# Altium PCB micromouse pcb.PcbDoc (part 2 of 2) (continued)
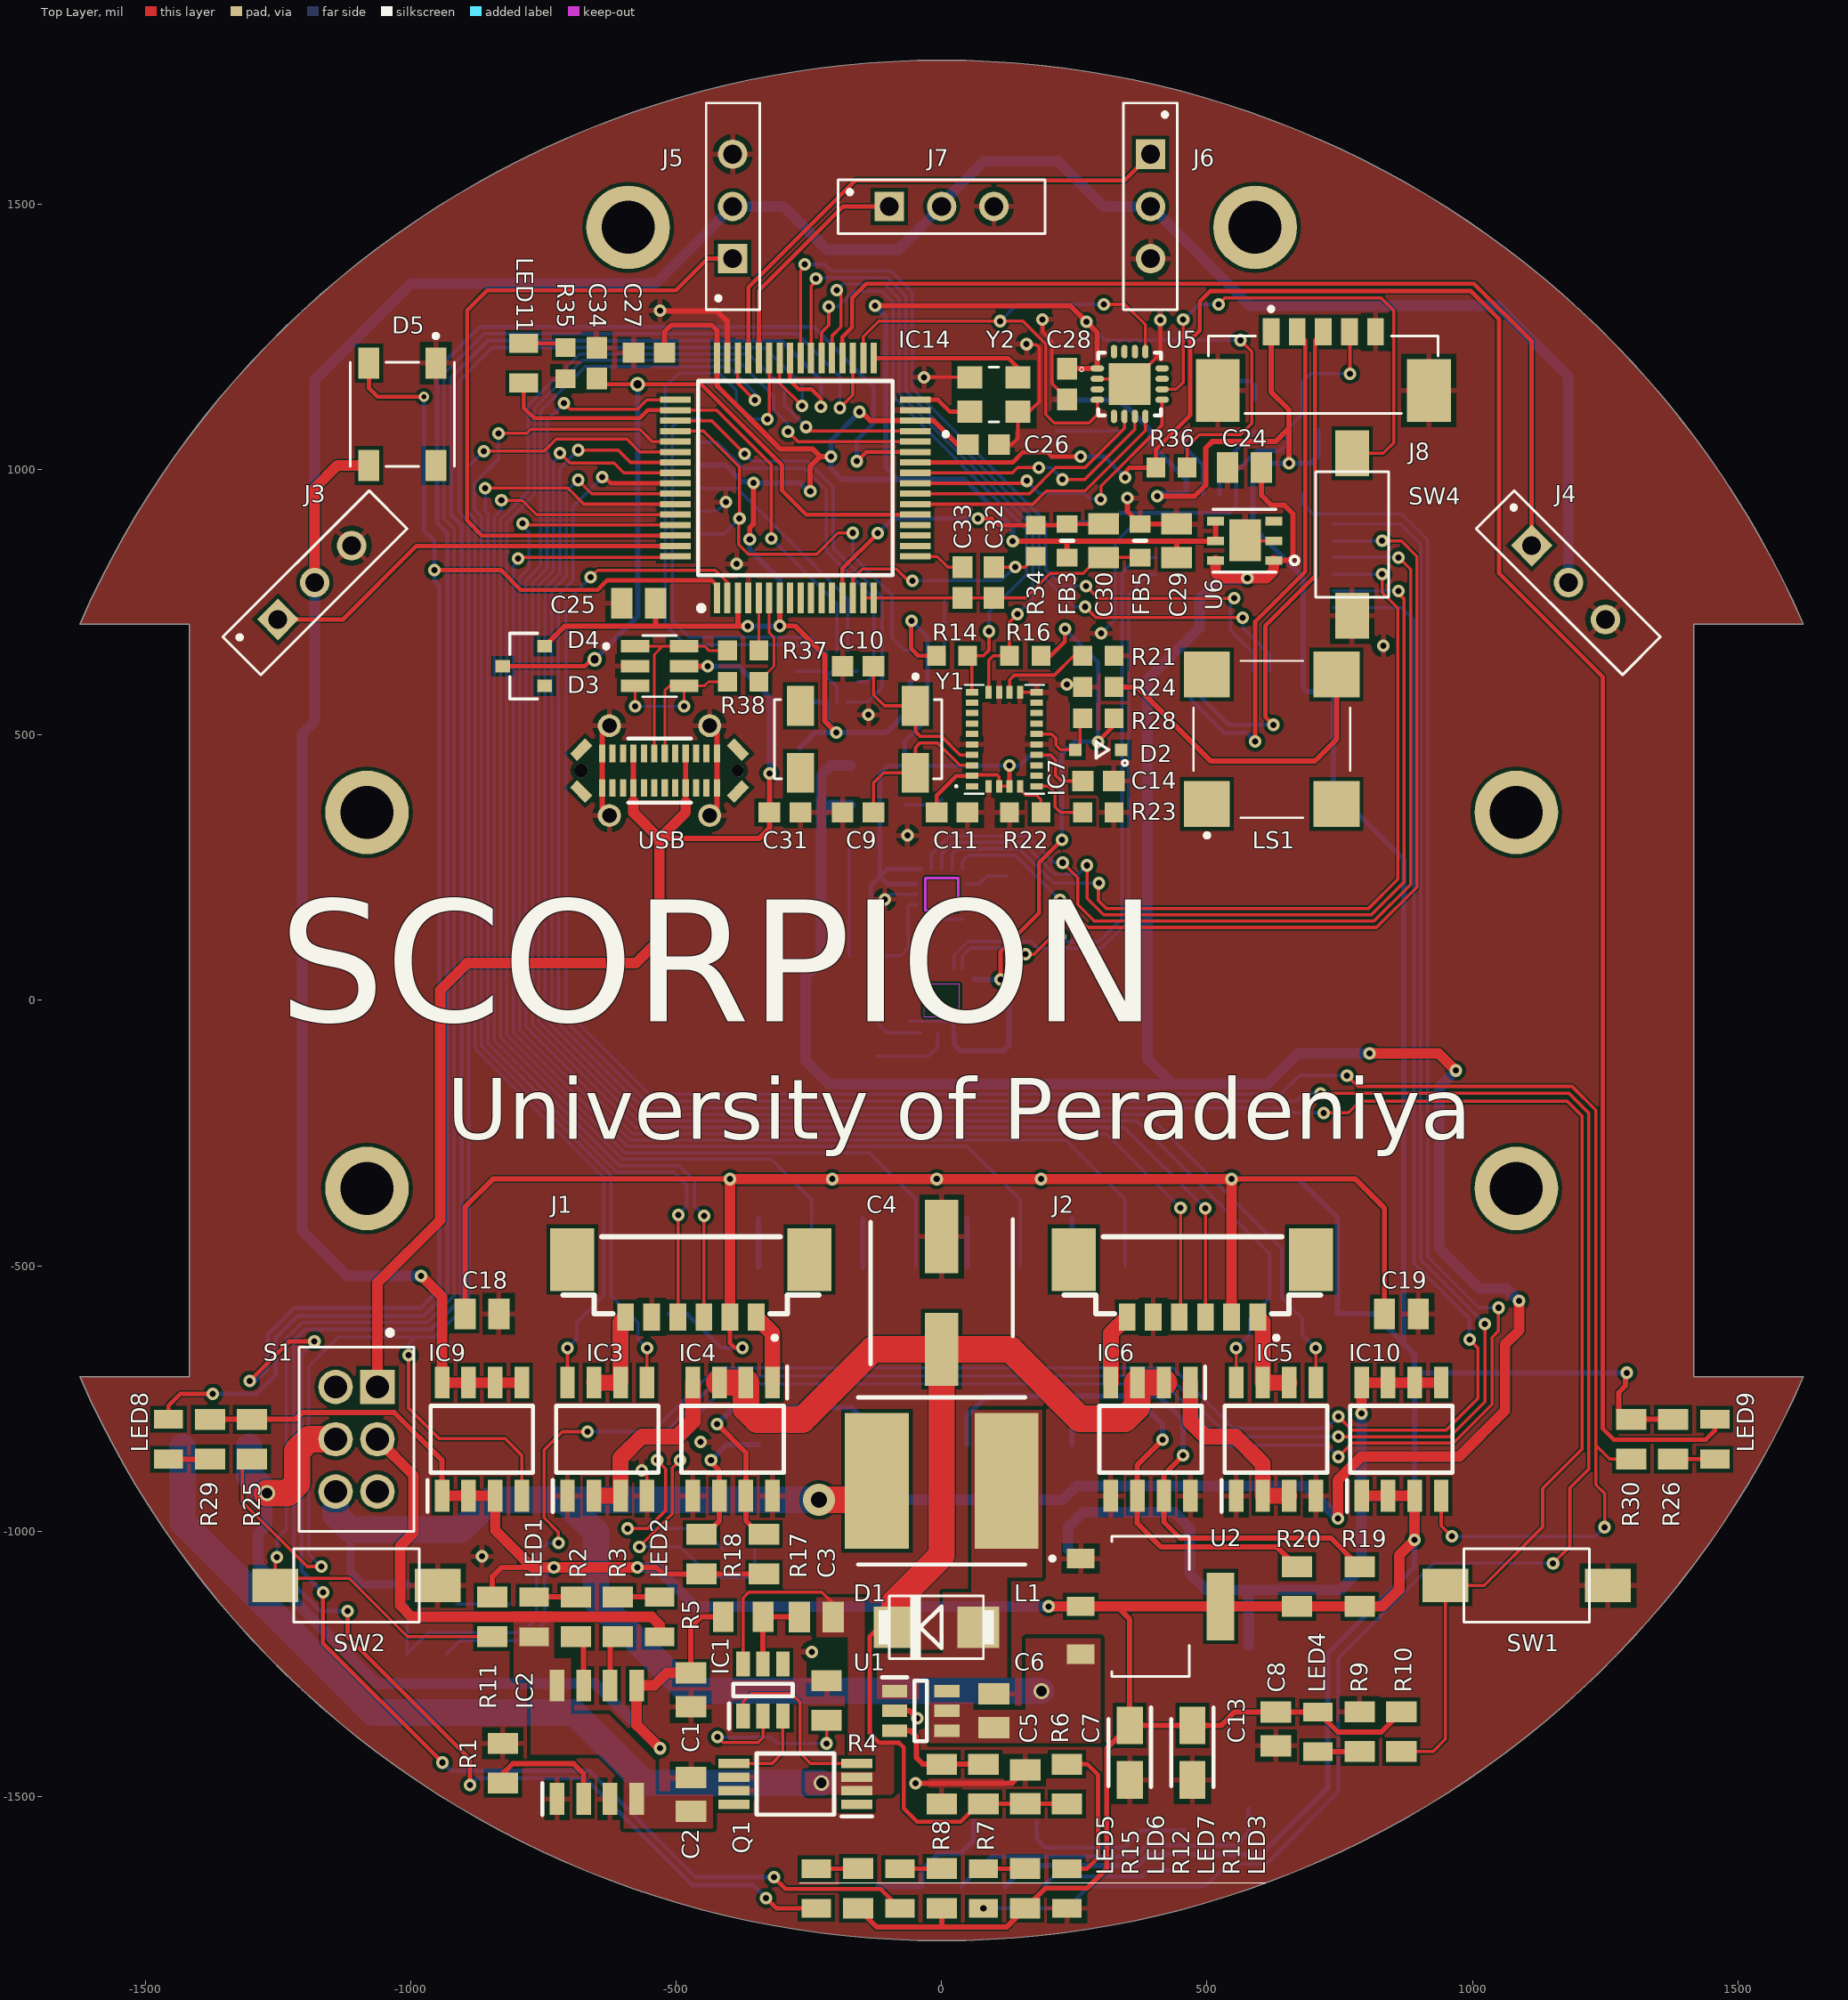
[diagram p0: Top Layer view]
## Nets (pads, with @x,y where several pads share a name; then routed paths per layer and width w, separated by ;. In a path a pad name is that pad's centre, name@x,y a point inside that pad or via, vN(x,y) a via of type N, cw(c..) or ccw(c..) an arc to the next point about the centre after c; other vN are vias at no path point) (continued)
NetIC3_2: IC3.2 IC3.3 IC4.4 | length 358.9
  Top Layer w30: IC3.2@-654.92,-933.54 IC3.3@-604.92,-933.54 -604.92,-861.92 -564.5,-821.5 -498,-821.5 -468.7,-792.2 IC4.4@-468.7,-720
NetIC3_6: IC3.6 IC3.7 J1.6 | length 177.5
  Top Layer w30: IC3.7@-654.92,-720 IC3.6@-604.92,-720 -604.92,-605.91 J1.6@-595.47,-596.46
NetIC4_1: IC4.1 J1.1 | length 136.3
  Top Layer w30: J1.1@-349.41,-596.46 -318.7,-627.17 IC4.1@-318.7,-720
NetIC5_2: IC5.2 IC5.3 IC6.1 | length 353.4
  Top Layer w30: IC6.1@468.7,-720 468.7,-793.7 496.5,-821.5 553.5,-821.5 604.92,-872.92 IC5.2@604.92,-933.54 IC5.3@654.92,-933.54
NetIC5_6: IC5.6 IC5.7 J2.1 | length 177.5
  Top Layer w30: J2.1@595.47,-596.46 604.92,-605.91 IC5.7@604.92,-720 IC5.6@654.92,-720
NetIC6_4: IC6.4 J2.6 | length 136.3
  Top Layer w30: IC6.4@318.7,-720 318.7,-627.17 J2.6@349.41,-596.46
NetIC7_17: IC7.17 R21.2 | length 179.9
  Top Layer w6: IC7.17@127.95,580.71 127.95,603.94 137.05,613.03 212.52,613.03 249.09,649.61 R21.2@265.75,649.61
NetIC8_6: IC8.6 R27.2 | length 82.7
  Bottom Layer w6: IC8.6@47.24,219.69 70.87,219.69 85.24,234.06 R27.2@124,234.06
NetIC13_2: IC13.2 Y3.1 | length 135.5
  Bottom Layer w8: Y3.1@459.65,1076.77 459.65,1040.47 492.13,1007.99 IC13.2@492.13,954.72
NetIC13_3: IC13.3 R39.1 | length 145.8
  Bottom Layer w8: IC13.3@523.62,954.72 523.62,1005.91 R39.1@590.55,1072.83
NetIC14_32: IC14.32 Y2.1 | length 112.2
  Top Layer w8: IC14.32@-49.69,1131.89 -6.5,1131.89 16.14,1109.25 Y2.1@53.15,1109.25
NetIC14_33: IC14.33 Y2.3 | length 297.2
  Top Layer w8: IC14.33@-127.95,1210.16 125.87,1210.16 143.7,1192.32 Y2.3@143.7,1174.21
NetJ9_2: J9.2 U12.3 | length 730.3
  Bottom Layer w6: J9.2@-452.87,1095.31 -492.36,1095.31 -507.72,1079.96 -507.72,716.02 -476.38,684.69 -246.62,684.69 -237.46,675.53 -237.46,659.12 U12.3@-236.22,657.87
NetJ9_3: J9.3 U12.8 | length 695
  Bottom Layer w6: J9.3@-452.87,1052.01 -422.7,1052.01 -372.85,1002.15 -257.65,1002.15 -217.5,962 -217.5,846.81 -127.6,756.91 -127.6,613.98 -141.18,600.39 U12.8@-159.06,600.39
NetJ9_5: J9.5 U12.6 | length 460.9
  Bottom Layer w6: J9.5@-452.87,965.39 -452.52,965.04 -385.69,965.04 -177.17,756.52 U12.6@-177.17,657.87
NetJ9_DT: J9.DT R51.1 | length 99.6
  Bottom Layer w6: R51.1@5,659.53 J9.DT@5,759.09
NetLED1_1: LED1.1 R2.2 | length 78.7
  Top Layer w10: LED1.1@-767.72,-1124.02 R2.2@-688.98,-1124.02
NetLED2_1: LED2.1 R3.2 | length 78.7
  Top Layer w10: R3.2@-610.24,-1124.02 LED2.1@-531.5,-1124.02
NetLED3_2: LED3.2 R6.1 | length 290.1
  Top Layer w8: LED3.2@236.22,-1635.83 274.17,-1635.83 294.5,-1615.5 294.5,-1458.5 274.98,-1438.98 R6.1@236.22,-1438.98
NetLED4_1: LED4.1 R9.1 | length 78.7
  Top Layer w10: LED4.1@708.66,-1415.35 R9.1@787.4,-1415.35
NetLED5_2: LED5.2 R15.1 | length 78.7
  Top Layer w8: LED5.2@-236.22,-1635.83 R15.1@-157.48,-1635.83
NetLED6_2: LED6.2 R12.1 | length 78.7
  Top Layer w8: LED6.2@-78.74,-1635.83 R12.1@0,-1635.83
NetLED7_2: LED7.2 R13.1 | length 78.7
  Top Layer w8: LED7.2@78.74,-1635.83 R13.1@157.48,-1635.83
NetLED8_2: LED8.2 R25.1 | length 78.7
  Top Layer w10: LED8.2@-1456.69,-864.17 R25.1@-1377.95,-864.17
NetLED9_2: LED9.2 R26.1 | length 78.7
  Top Layer w8: R26.1@1377.95,-864.17 LED9.2@1456.69,-864.17
NetLED10_2: LED10.2 R31.1 | length 278.2
  Bottom Layer w8: R31.1@194.88,-1669.45 194.88,-1666.19 210.57,-1650.5 378.5,-1650.5 390.1,-1638.9 LED10.2@458.5,-1638.9
NetLED11_1: LED11.1 R35.2 | length 82
  Top Layer w8: LED11.1@-787.4,1238.19 -716.54,1238.19 R35.2@-708.66,1230.31
NetLS1_3: LS1.3 R24.2 | length 616.2
  Top Layer w10: R24.2@324.8,590.55 367.95,590.55 507.5,451 703,451 744.05,492.05 LS1.3@744.05,614.17
NetR7_1: R7.1 R8.2 U1.3 | length 216.8
  Top Layer w10: U1.3@-88.58,-1375.99 -58.51,-1375.99 -47.5,-1387 -47.5,-1427 -35.52,-1438.98 R8.2@0,-1438.98 R7.1@78.74,-1438.98
NetR32_1: R32.1 SW3.1 | length 628.9
  Bottom Layer w8: R32.1@37.4,-1669.45 93.85,-1613 364.79,-1613 385.97,-1591.82 554.69,-1591.82 578.03,-1568.47 SW3.1@578.03,-1522.02
NetR32_2: R32.2 R33.2 U3.26 | length 270.4
  Bottom Layer w10: R33.2@-120.08,-1669.45 R32.2@-37.4,-1669.45 -37.4,-1638.9 -6.26,-1607.76 34.74,-1607.76 60.83,-1581.67 U3.26@60.83,-1546.42
NetR39_2: R39.2 Y3.3 | length 95.2
  Bottom Layer w8: Y3.3@524.61,1167.32 579.96,1167.32 590.55,1156.73 R39.2@590.55,1131.89
NetR41_2: R41.2 U7.1 | length 90.6
  Bottom Layer w10: U7.1@-148.43,-501.97 R41.2@-148.43,-411.42
NetR42_2: R42.2 U9.1 | length 90.6
  Bottom Layer w10: U9.1@-345.28,-501.97 R42.2@-345.28,-411.42
NetR43_2: R43.2 U8.1 | length 90.6
  Bottom Layer w10: U8.1@48.43,-501.97 R43.2@48.43,-411.42
NetR44_2: R44.2 U10.1 | length 90.6
  Bottom Layer w10: U10.1@245.28,-501.97 R44.2@245.28,-411.42
NetR49_2: R49.2 U4.12 | length 90.7
  Bottom Layer w6: R49.2@-121.47,-41.5 -121.47,-42.48 -106.76,-57.2 -105.77,-57.2 -102.15,-60.83 U4.12@-39.37,-60.83
NRST: C43.2 IC13.4 J8.4 SW5.2 | length 817.9
  Top Layer w6: J8.4@768.27,1259.57 769.25,1258.58 v2(769.25,1180.79)
  Bottom Layer w6: C43.2@649.61,1073.23 649.61,1074.61 679.6,1104.6 679.6,1165.23 695.16,1180.79 v2(769.25,1180.79)
  Bottom Layer w8: SW5.2@236.22,901.02 318.46,901.02 335.94,918.5 542.04,918.5 555.12,931.57 IC13.4@555.12,954.72 555.12,996.61 594,1035.5 638.18,1035.5 649.61,1046.93 C43.2@649.61,1073.23
PROG: SW4.1 U5.10 | length 922.5
  Top Layer w6: U5.10@415.35,1151.57 442.01,1151.57 455.2,1164.76 v1(455.2,1282.64) ; v1(521.57,1311.5) 533.58,1323.5 827.99,1323.5 852.2,1299.29 852.2,1051.11 831.89,1030.8 SW4.1@773.42,1030.8
  Bottom Layer w6: v1(455.2,1282.64) 484.06,1311.5 v1(521.57,1311.5)
PS0: IC7.6 R23.2 | length 122.6
  Top Layer w6: IC7.6@179.13,403.54 201.69,403.54 213.94,391.3 213.94,364.61 224.21,354.33 R23.2@265.75,354.33
PS1: IC7.5 R22.2 | length 77.4
  Top Layer w6: IC7.5@147.64,403.54 147.64,397.64 158.46,386.81 178.7,386.81 187.01,378.5 R22.2@187.01,354.33
PTA0: IC14.22 U5.8 | length 517.6
  Top Layer w6: IC14.22@-49.69,935.04 172.13,935.04 197.01,959.92 270.04,959.92 383.86,1073.74 U5.8@383.86,1100.39
PTA1: IC14.23 U5.6 | length 467.5
  Top Layer w6: IC14.23@-49.69,954.72 165.53,954.72 214.83,1004.02 270.28,1004.02 344.49,1078.24 U5.6@344.49,1100.39
PTA2: IC14.24 U5.9 | length 601.8
  Top Layer w6: IC14.24@-49.69,974.41 155.79,974.41 v1(160.43,979.06) ; v1(300,944) 300,968.76 415.35,1084.12 U5.9@415.35,1131.89
  Bottom Layer w6: v1(160.43,979.06) 183.7,955.79 268.79,955.79 279.19,945.39 298.61,945.39 v1(300,944)
PTA3: IC14.25 U5.7 | length 491.4
  Top Layer w6: IC14.25@-49.69,994.09 133.33,994.09 143.23,1003.99 v1(183.05,1003.99) ; v1(227.24,981.57) 269.61,981.57 364.17,1076.14 U5.7@364.17,1100.39
  Bottom Layer w6: v1(183.05,1003.99) 206.17,1003.99 227.24,982.91 v1(227.24,981.57)
PWR_INPUT: C6.1 C24.2 IC12.1 IC12.3 L1.2 S1.6 U1.4 U1.5 U2.3 U6.1 U6.6 U15.2 | length 8089.9
  Top Layer w10: C24.2@602.76,1003.94 602.76,951.74 621.44,933.06 645.94,933.06 662,917 662,837 654.14,829.14 U6.1@625.87,829.14
  Top Layer w20: U6.6@515.87,829.14 515.87,805.85 526.41,795.31 575.31,795.31 v4(576,796) 612.5,796 625.87,809.37 U6.1@625.87,829.14 ; v2(746.5,-976) 746.5,-904 791,-859.5 975,-859.5 1061.5,-773 1061.5,-648 1088,-621.5 v1(1088,-566) ; v2(806.5,-99.5) 936,-99.5 v2(968.5,-132)
  Top Layer w50: v8(-231,-941) -157.54,-941 L1.2@-122.05,-905.51
  Bottom Layer w15: -1113.98,-997.01 -1113.98,-1076.54 -1090.67,-1099.84 U15.2@-1007.08,-1099.84
  Bottom Layer w20: v8(-231,-941) 228,-941 254,-915 685.5,-915 v2(746.5,-976) ; IC12.1@-171.43,368.46 -208.54,368.46 -227,350 ; IC12.3@-171.43,442.46 -209.04,442.46 -227,424.5 -227,350 ; v4(576,796) 574.19,794.19 524.19,794.19 485.5,755.5 485.5,702 387.5,604 387.5,-110 434.81,-157.32 ; v2(806.5,-99.5) 671.5,-99.5 613.69,-157.32 434.81,-157.32 ; v2(968.5,-132) 938,-162.5 938,-468 1013,-543 1064.02,-543 1087.02,-566 v1(1088,-566) ; -227,350 -227,75.5 -256,46.5 -256,-113.5 -212.18,-157.32 434.81,-157.32
  Bottom Layer w50: S1.6@-1141.73,-925.2 -1141.73,-969.25 -1113.98,-997.01 -904.8,-997.01 -848.8,-941 -712,-941 ; v8(-231,-941) -712,-941 ; v5@187.5,-1301 -480,-1301 -651,-1130 -651,-1002 -712,-941
  other v5: 188,-1301.5
R_C: IC5.8 IC14.56 R48.2 | length 3147.9
  Top Layer w6: v1(-719.25,1031.46) -700.34,1012.54 -617.04,1012.54 -598.59,994.09 IC14.56@-501.5,994.09 ; IC5.8@554.92,-720 v2(554.92,-655)
  Bottom Layer w6: v1(-719.25,1031.46) -719.25,1026.69 -731.46,1014.48 -731.46,809.21 -758.97,781.7 -758.97,-39.93 -571.93,-226.97 367.47,-226.97 618,-477.5 618,-561.13 R48.2@588.58,-590.55 580.24,-598.89 580.24,-629.68 v2(554.92,-655)
R_CS: IC5.5 IC14.55 R46.2 | length 3136.9
  Top Layer w6: v1(-684.96,1036.85) -609.35,1036.85 -586.28,1013.78 IC14.55@-501.5,1013.78 ; IC5.5@704.92,-720 v1(704.92,-655)
  Bottom Layer w6: v1(-684.96,1036.85) -684.96,1036.32 -719.13,1002.15 -719.13,804.57 -746.97,776.73 -746.97,-34.96 -566.96,-214.97 388.97,-214.97 641,-467 641,-560.29 R46.2@671.26,-590.55 679.6,-598.89 679.6,-629.68 v1(704.92,-655)
R_INA: IC14.64 U8.2 | length 2407.3
  Top Layer w6: v3(-798.2,832.48) -796.14,834.55 -503.56,834.55 IC14.64@-501.5,836.61
  Bottom Layer w6: v3(-798.2,832.48) -798.2,827.71 -806.97,818.95 -806.97,-59.81 -591.81,-274.97 48.52,-274.97 148.43,-374.87 U8.2@148.43,-501.97
R_INA_O: IC6.7 R19.1 U8.4 | length 1105.4
  Top Layer w10: v2(455,-857) 418.7,-893.3 IC6.7@418.7,-933.54 418.7,-982.7 449,-1013 733.47,-1013 R19.1@787.4,-1066.93
  Bottom Layer w10: U8.4@48.43,-836.61 48.43,-781.57 84.5,-745.5 409,-745.5 455,-791.5 v2(455,-857)
R_INB: IC14.61 U10.2 | length 2654.4
  Top Layer w6: v1(-789.22,898.56) -786.33,895.67 IC14.61@-501.5,895.67
  Bottom Layer w6: v1(-789.22,898.56) -789.22,893.79 -777.39,881.96 -777.39,814.18 -794.97,796.61 -794.97,-54.84 -586.84,-262.97 233.37,-262.97 345.28,-374.87 U10.2@345.28,-501.97
R_INB_O: IC6.6 R20.1 U10.4 | length 774.2
  Top Layer w10: v2(416.5,-827.5) 368.7,-875.3 IC6.6@368.7,-933.54 368.7,-985.2 413.5,-1030 632.36,-1030 R20.1@669.29,-1066.93
  Bottom Layer w10: U10.4@245.28,-836.61 245.28,-792.72 265,-773 390,-773 416.5,-799.5 v2(416.5,-827.5)
RENCH_A: IC14.46 J2.4 | length 3316.6
  Top Layer w6: IC14.46@-383.86,1210.16 -383.86,1162.99 v4(-352.09,1131.22) ; J2.4@447.83,-596.46 450.16,-594.13 v1(450.16,-391.02)
  Bottom Layer w6: v4(-352.09,1131.22) -352.09,1144.53 -401.65,1194.09 -672.04,1194.09 -755.46,1110.67 -755.46,819.15 -782.97,791.64 -782.97,-49.87 -581.87,-250.97 310.11,-250.97 v1(450.16,-391.02)
RENCH_B: IC14.49 J2.3 | length 3033.2
  Top Layer w6: v1(-711.3,1125.39) -700,1114.09 -573.35,1114.09 -555.55,1131.89 IC14.49@-501.5,1131.89 ; v1(496.89,-391.77) 496.89,-596.3 J2.3@497.05,-596.46
  Bottom Layer w6: v1(-711.3,1125.39) -743.46,1093.24 -743.46,814.18 -770.97,786.67 -770.97,-44.9 -576.9,-238.97 344.09,-238.97 v1(496.89,-391.77)
RESET: IC14.34 U5.4 U5.13 | length 1038.8
  Top Layer w6: IC14.34@-147.64,1210.16 -147.64,1250.71 -118.35,1280 v1(110.5,1280) 152.91,1280 196.13,1236.79 196.13,1103.8 211.89,1088.03 277.83,1088.03 293.31,1103.5 U5.4@293.31,1131.89 ; v1(305.5,1311.5) 345.5,1311.5 383.86,1273.14 U5.13@383.86,1222.44
  Bottom Layer w6: v1(110.5,1280) 142,1311.5 v1(305.5,1311.5)
RX2_STM: IC13.9 U3.1 | length 3951.5
  Top Layer w6: v1(-591.5,-995) -554,-995 -520,-961 -520,-882.5 v2(-536,-866.5) ; v2(747.5,-822) 957.5,-822 1023.5,-756 v1(1023.5,-609.5)
  Bottom Layer w6: v1(-591.5,-995) -451.22,-995 U3.1@-411.61,-1034.61 ; v2(-536,-866.5) -536,-829 -414,-707 426.5,-707 541.5,-822 v2(747.5,-822) ; IC13.9@738.19,897.64 864.86,897.64 902.5,860 902.5,-488.5 v1(1023.5,-609.5)
RX_STM: IC13.20 IC14.40 | length 1567.4
  Top Layer w6: IC14.40@-265.75,1210.16 -265.75,1374.64 -258.19,1382.2 v1(-258.19,1386.97) ; v3(271.89,780.94) 295.04,757.8 v3(551.1,757.8)
  Bottom Layer w6: v1(-258.19,1386.97) -219.97,1386.97 -207.5,1374.5 -95.53,1374.5 -55.65,1334.62 -55.65,1153.57 195.72,902.2 195.72,811.68 226.46,780.94 v3(271.89,780.94) ; v3(551.1,757.8) 543.86,750.55 543.86,697.8 586.61,655.04 IC13.20@586.61,620.08
SCK: IC14.50 LED11.2 U12.5 | length 972.8
  Top Layer w6: IC14.50@-501.5,1112.2 -424.03,1112.2 -320.83,1009 v4(-320.83,870.75)
  Top Layer w8: LED11.2@-787.4,1163.39 -787.4,1116.81 -767.72,1097.13 -568.54,1097.13 -553.47,1112.2 IC14.50@-501.5,1112.2
  Bottom Layer w6: v4(-320.83,870.75) -196.85,746.77 U12.5@-196.85,657.87
SCK_STM: IC8.2 IC13.11 | length 1818.7
  Top Layer w6: v1(228,259.5) 256.5,231 256.5,180.5 287.5,149.5 814.44,149.5 883.5,218.56 883.5,812.15 v1(861,834.65)
  Bottom Layer w6: IC8.2@-19.69,247.24 -19.69,275.72 14.59,310 161,310 211.5,259.5 v1(228,259.5) ; IC13.11@738.19,834.65 v1(861,834.65)
SCL: IC7.19 IC14.37 R16.1 | length 1170
  Top Layer w6: IC14.37@-206.69,1210.16 -206.69,1251.97 -189.53,1269.13 -189.53,1330.03 v3(-197.5,1338) ; IC7.19@88.58,580.71 88.58,640.83 97.36,649.61 R16.1@127.95,649.61 ; R16.1@127.76,649.8 127.76,712.8 v3(142.68,727.72)
  Bottom Layer w6: v3(-197.5,1338) -186,1349.5 -107,1349.5 -79.65,1322.15 -79.65,1143.62 171.72,892.26 171.72,756.76 v3(142.68,727.72)
SCL_STM: IC13.29 U4.23 | length 1072.2
  Bottom Layer w6: U4.23@23.62,60.83 23.62,85.36 49.27,111 169.04,111 181.37,98.67 301.14,98.67 351.92,149.45 351.92,764.32 390.75,803.15 IC13.29@403.54,803.15
SDA: IC7.20 IC14.38 R14.1 | length 1149.5
  Top Layer w6: IC14.38@-226.38,1210.16 -226.38,1258.7 -212.68,1272.4 v3(-212.68,1307.56) ; IC7.20@57.09,580.71 57.09,641.73 R14.1@49.21,649.61 78.82,649.61 89.25,660.04 v1(89.25,695.55)
  Bottom Layer w6: v3(-212.68,1307.56) -194.44,1307.56 -166,1336 -112.5,1336 -91.65,1315.15 -91.65,1138.65 159.72,887.29 159.72,802.16 89.25,731.69 v1(89.25,695.55)
SDA_STM: IC13.30 U4.24 | length 1097.2
  Top Layer w6: v2(157.76,87.09) 174.09,87.09 206.61,119.61 v2(223.54,119.61)
  Bottom Layer w6: U4.24@39.37,60.83 39.37,84.13 54.24,99 145.84,99 v2(157.76,87.09) ; v2(223.54,119.61) 232.48,110.67 296.17,110.67 339.92,154.42 339.92,805.79 368.78,834.65 IC13.30@403.54,834.65
SHARP_ON/OFF: IC9.4 IC14.42 R29.1 | length 4083.5
  Top Layer w6: R29.1@-1299.21,-864.17 -1317.5,-882.46 -1317.5,-944.43 -1195.28,-1066.65 v2(-1168.82,-1066.65) ; v1(-1004.21,-668.37) -1004.21,-768.23 -947.17,-825.28 -822.95,-825.28 -791.14,-857.09 IC9.4@-791.14,-933.54 ; IC14.42@-305.12,1210.16 -305.12,1162.72 v4(-262.64,1120.24)
  Bottom Layer w6: v2(-1168.82,-1066.65) -1192.5,-1042.97 -1192.5,-689.74 -1136.85,-634.09 -990.83,-634.09 ; v1(-1004.21,-668.37) -1004.21,-647.48 -990.83,-634.09 ; v4(-262.64,1120.24) -262.64,1158.86 -333.87,1230.09 -845.94,1230.09 -909.21,1166.81 -909.21,919.96 -891.02,901.77 -891.02,-569.57 -955.55,-634.09 -990.83,-634.09
SW1: IC14.58 R10.1 SW1.2 | length 4678.7
  Top Layer w6: v1(-685.04,980.71) -659.06,954.72 IC14.58@-501.5,954.72 ; v1(719.45,-211.85) 766.22,-211.85 787.8,-190.28 1178.78,-190.28 1206.46,-217.95 1206.46,-845.27 1132.37,-919.37 1132.37,-992.13 1022.14,-1102.36 SW1.2@949.37,-1102.36 949.37,-1391.63 925.65,-1415.35 R10.1@866.14,-1415.35
  Bottom Layer w6: v1(-685.04,980.71) -707.13,958.62 -707.13,799.6 -734.97,771.76 -734.97,-29.99 -562.31,-202.65 653.94,-202.65 663.15,-211.85 v1(719.45,-211.85)
SW2: IC14.35 R11.1 SW2.2 | length 4001.8
  Top Layer w6: v2(-1252.2,-1049.21) -1255.35,-1052.36 SW2.2@-1255.35,-1102.36 -1241.99,-1089 -1116,-1089 -1006.18,-1198.82 R11.1@-846.46,-1198.82 ; v4(-191.57,1116.54) -167.32,1140.79 IC14.35@-167.32,1210.16
  Bottom Layer w6: v2(-1252.2,-1049.21) -1252.2,-1013.94 -1234.5,-996.23 -1234.5,-636.31 -1205.2,-607.02 -969.65,-607.02 -917.95,-555.32 -917.95,888.27 -937.4,907.72 -937.4,1180.71 -862.02,1256.09 -272.27,1256.09 -191.57,1175.39 v4(-191.57,1116.54)
SYS_SWCLK: IC13.24 J8.2 | length 1027.5
  Top Layer w8: v2(590.75,487.91) 590.75,713.7 685.12,808.07 685.12,1244.29 J8.2@669.84,1259.57
  Bottom Layer w8: IC13.24@460.63,620.08 469.53,611.18 469.53,567.56 532.72,504.37 574.29,504.37 v2(590.75,487.91)
SYS_SWDIO: IC13.23 J8.3 | length 1003.8
  Top Layer w8: v2(625.35,519.41) 609.92,534.84 609.92,705.83 703.62,799.53 703.62,1244.13 J8.3@719.06,1259.57
  Bottom Layer w8: IC13.23@492.13,620.08 484.33,612.28 484.33,575.51 540.43,519.41 v2(625.35,519.41)
TX2_STM: IC13.8 U3.2 | length 4192.3
  Top Layer w6: v3(-569.5,-1029.5) -507.5,-967.5 -507.5,-881 v2@-492.5,-866 ; v2(747.5,-860) 773.5,-834 964,-834 1037,-761 1037,-635 1049,-623 v1(1049,-579)
  Bottom Layer w6: v3(-569.5,-1029.5) -492.5,-1029.5 -435,-1087 -364.5,-1087 -352.56,-1075.06 U3.2@-352.56,-1034.61 ; v2(-492.5,-866.5) -492.5,-813.5 -401.5,-722.5 420.5,-722.5 536,-838 725.5,-838 v2(747.5,-860) ; IC13.8@681.1,954.72 681.1,934.9 699,917 866,917 915.5,867.5 915.5,-482.5 1012,-579 v1(1049,-579)
TX_STM: IC13.19 IC14.39 | length 1503.6
  Top Layer w6: IC14.39@-246.06,1210.16 -246.06,1345.98 -236.61,1355.43 v1(-236.61,1360.2) ; v3(270.2,741.69) 290.39,721.5 v3(567.32,721.5)
  Bottom Layer w6: v1(-236.61,1360.2) -235.31,1361.5 -102.03,1361.5 -67.65,1327.12 -67.65,1148.59 183.72,897.23 183.72,806.71 248.74,741.69 v3(270.2,741.69) ; v3(567.32,721.5) 567.32,702.24 618.11,651.46 IC13.19@618.11,620.08
U5V: C31.2 D4.5 S1.1 USB.A4 USB.A9 USB.B4 USB.B9 | length 2449.7
  Top Layer w10: -580.71,374.81 USB.A9@-580.71,400.39 USB.B4@-580.71,465.75 ; -531.73,304.92 -344.08,304.92 -324.41,324.59 C31.2@-324.41,354.33 v3(-324.41,428) ; D4.5@-485.24,629.92 v1(-441,629.92) ; -482.28,374.29 USB.A4@-482.28,400.39 USB.B9@-482.28,465.75
  Top Layer w20: S1.1@-1062.99,-728.35 -1062.99,-531.99 -944.5,-413.5 -944.5,19.74 -894.08,70.16 -576.1,70.16 -531.73,114.53 -531.73,304.92 ; -580.71,374.81 -580.71,353.9 -531.73,304.92 ; -482.28,374.29 -482.28,354.37 -531.73,304.92
  Bottom Layer w10: v1(-441,629.92) -382.42,629.92 -326.5,574 -324.41,571.91 v3(-324.41,428)
VBAT: IC13.14 R40.1 U15.1 | length 4315
  Top Layer w6: v1(-722,-1022.5) -722,-1002 -749,-975 -749,-847 -714.5,-812.5 v2(-667.5,-812.5) ; v2(747.5,-784) 773,-809.5 950.5,-809.5 1010,-750 1010,-654.5 v1(994.5,-639)
  Bottom Layer w6: U15.1@-1007.08,-1137.24 R40.1@-1007.08,-1231 -967.58,-1191.5 -790.5,-1191.5 -763,-1164 -763,-1043.5 -742,-1022.5 v1(-722,-1022.5) ; v2(-667.5,-812.5) -545,-812.5 -424.5,-692 435.5,-692 549.5,-806 725.5,-806 v2(747.5,-784) ; IC13.14@738.19,740.16 866.34,740.16 890,716.5 890,-495 994.5,-599.5 v1(994.5,-639)
VCC: C2.1 IC2.4 IC2.8 LED1.2 LED2.2 S1.2 | length 878.1
  Top Layer w20: S1.2@-1062.99,-826.77 -994.8,-894.96 -994.8,-1002.87 -1019.96,-1028.03 -1019.96,-1140.04 -998.5,-1161.5 -546,-1161.5 -531.5,-1176 LED2.2@-531.5,-1198.82
pads on no net: D5.4 IC1.4 IC2.9 IC7.1 IC7.7 IC7.8 IC7.12 IC7.13 IC7.21 IC7.22 IC7.23 IC7.24 IC8.7 IC13.6 IC13.7 IC13.15 IC13.18 IC13.21 IC13.22 IC13.25 IC13.26 IC13.27 IC13.28 IC13.31 IC14.8 IC14.18 IC14.19 IC14.20 J1.7 J1.8 J2.7 J2.8 J9.1 J9.8 J9.P2 J9.P5 J9.SW LS1.1 LS1.2 Q1.1 Q1.8 S1.3 S1.4 U1.6 U3.3 U3.4 U3.5 U3.6 U3.7 U3.8 U3.9 U3.10 U3.11 U3.14 U3.15 U3.16 U3.17 U3.18 U3.19 U3.20 U3.23 U3.25 U3.27 U3.28 U3.29 U3.30 U3.31 U3.32 U3.33 U3.34 U4.2 U4.3 U4.4 U4.5 U4.6 U4.7 U4.9 U4.11 U4.14 U4.15 U4.16 U4.17 U4.19 U4.20 U4.21 U4.22 U5.3 U5.5 U5.11 U5.12 U5.14 U5.15 U5.16 U6.3 U12.14 U12.15 U15.4 USB.3 USB.4 USB.5 USB.6 USB.A2 USB.A3 USB.A5 USB.A6 USB.A7 USB.A8 USB.A10 USB.A11 USB.B2 USB.B3 USB.B5 USB.B8 USB.B10 USB.B11 USB.None Y1.2 Y1.3

## Polygon pours and split planes (outlines as drawn)
GND on Top Layer "Top Layer-GND" (solid, pour order 8): -1129.52,-1365.47 -1067.53,-1414.46 -1003.43,-1460.63 -937.32,-1503.91 -869.36,-1544.19 -799.67,-1581.41 -728.38,-1615.48 -655.65,-1646.34 -581.62,-1673.93 -506.43,-1698.19 -430.23,-1719.07 -353.18,-1736.54 -275.43,-1750.56 -197.13,-1761.1 -118.43,-1768.13 -39.5,-1771.65 39.5,-1771.65 118.43,-1768.13 197.12,-1761.1 275.43,-1750.56 353.18,-1736.54 430.23,-1719.07 506.43,-1698.19 581.62,-1673.93 655.65,-1646.34 728.38,-1615.48 799.67,-1581.41 869.36,-1544.19 937.32,-1503.91 1003.43,-1460.63 1067.53,-1414.46 1129.52,-1365.47 1189.26,-1313.77 1246.64,-1259.45 1301.53,-1202.63 1353.84,-1143.43 1403.47,-1081.94 1450.3,-1018.31 1494.24,-952.66 1535.22,-885.11 1573.15,-815.8 1607.95,-744.87 1623.75,-708.66 1417.32,-708.66 1417.32,708.66 1623.75,708.66 1607.95,744.87 1573.15,815.8 1535.22,885.11 1494.24,952.66 1450.3,1018.31 1403.47,1081.94 1353.84,1143.42 1301.53,1202.63 1246.64,1259.45 1189.26,1313.77 1129.52,1365.47 1067.53,1414.46 1003.43,1460.63 937.32,1503.91 869.36,1544.19 799.67,1581.41 728.38,1615.48 655.65,1646.34 581.62,1673.93 506.43,1698.19 430.23,1719.07 353.18,1736.54 275.43,1750.56 197.12,1761.1 118.43,1768.13 39.5,1771.65 -39.5,1771.65 -118.43,1768.13 -197.13,1761.1 -275.43,1750.56 -353.18,1736.54 -430.23,1719.07 -506.43,1698.19 -581.62,1673.93 -655.65,1646.34 -728.38,1615.48 -799.67,1581.41 -869.36,1544.19 -937.32,1503.91 -1003.43,1460.63 -1067.53,1414.46 -1129.52,1365.47 -1189.26,1313.77 -1246.64,1259.45 -1301.53,1202.63 -1353.84,1143.42 -1403.47,1081.94 -1450.3,1018.31 -1494.24,952.66 -1535.22,885.11 -1573.15,815.8 -1607.95,744.87 -1623.75,708.66 -1417.32,708.66 -1417.32,-708.66 -1623.75,-708.66 -1607.95,-744.87 -1573.15,-815.8 -1535.22,-885.11 -1494.24,-952.66 -1450.3,-1018.31 -1403.47,-1081.94 -1353.84,-1143.43 -1301.53,-1202.63 -1246.64,-1259.45 -1189.26,-1313.77
NetC3_2 on Top Layer "Top Layer-NetC3_2" (solid, pour order 14): -236,-1125 -145.5,-1125 -145.5,-1398.8 -89.5,-1398.8 -89.5,-1496 -257,-1496 -257,-1454 -127.5,-1454 -127.5,-1424 -176,-1424 -176,-1199.5 -236,-1199.5
NetD1_A on Top Layer "Top Layer-NetD1_A" (solid, pour order 34): -122,-1316.5 -43,-1316.5 -43,-1276 123.5,-1276 123.5,-1087 189,-1087 189,-771.5 56.5,-771.5 56.5,-1115.5 2.5,-1115.5 2.5,-1230.5 -122,-1230.5
no net on Top Layer "Top Layer-No Net" (solid, pour order 30): -126,-1320
PWR_INPUT on Top Layer "Top Layer-PWR_INPUT" (solid, pour order 22): 59.5,-1322.5 59.5,-1337 158.5,-1337 158.5,-1202 299.5,-1202 299.5,-1399 -22,-1399 -22,-1322.5
no net on Top Layer "Top Layer-No Net 1" (solid, pour order 24): -18,-1322.5
VCC on Top Layer "Top Layer-VCC" (solid, pour order 16): -730.5,-1151 -730.5,-1239.5 -699,-1239.5 -699,-1344.5 -627.5,-1344.5 -539,-1433 -539,-1496.5 -431,-1496.5 -431,-1560 -598.5,-1560 -598.5,-1466 -644,-1420.5 -774,-1420.5 -774,-1278.5 -806,-1278.5 -806,-1151
GND on Bottom Layer "Bottom Layer-GND" (solid, pour order 10): -1129.52,-1365.47 -1067.53,-1414.46 -1003.43,-1460.63 -937.32,-1503.91 -869.36,-1544.19 -799.67,-1581.41 -728.38,-1615.48 -655.65,-1646.34 -581.62,-1673.93 -506.43,-1698.19 -430.23,-1719.07 -353.18,-1736.54 -275.43,-1750.56 -197.13,-1761.1 -118.43,-1768.13 -39.5,-1771.65 39.5,-1771.65 118.43,-1768.13 197.12,-1761.1 275.43,-1750.56 353.18,-1736.54 430.23,-1719.07 506.43,-1698.19 581.62,-1673.93 655.65,-1646.34 728.38,-1615.48 799.67,-1581.41 869.36,-1544.19 937.32,-1503.91 1003.43,-1460.63 1067.53,-1414.46 1129.52,-1365.47 1189.26,-1313.77 1246.64,-1259.45 1301.53,-1202.63 1353.84,-1143.43 1403.47,-1081.94 1450.3,-1018.31 1494.24,-952.66 1535.22,-885.11 1573.15,-815.8 1607.95,-744.87 1623.75,-708.66 1417.32,-708.66 1417.32,708.66 1623.75,708.66 1607.95,744.87 1573.15,815.8 1535.22,885.11 1494.24,952.66 1450.3,1018.31 1403.47,1081.94 1353.84,1143.42 1301.53,1202.63 1246.64,1259.45 1189.26,1313.77 1129.52,1365.47 1067.53,1414.46 1003.43,1460.63 937.32,1503.91 869.36,1544.19 799.67,1581.41 728.38,1615.48 655.65,1646.34 581.62,1673.93 506.43,1698.19 430.23,1719.07 353.18,1736.54 275.43,1750.56 197.12,1761.1 118.43,1768.13 39.5,1771.65 -39.5,1771.65 -118.43,1768.13 -197.13,1761.1 -275.43,1750.56 -353.18,1736.54 -430.23,1719.07 -506.43,1698.19 -581.62,1673.93 -655.65,1646.34 -728.38,1615.48 -799.67,1581.41 -869.36,1544.19 -937.32,1503.91 -1003.43,1460.63 -1067.53,1414.46 -1129.52,1365.47 -1189.26,1313.77 -1246.64,1259.45 -1301.53,1202.63 -1353.84,1143.42 -1403.47,1081.94 -1450.3,1018.31 -1494.24,952.66 -1535.22,885.11 -1573.15,815.8 -1607.95,744.87 -1623.75,708.66 -1417.32,708.66 -1417.32,-708.66 -1623.75,-708.66 -1607.95,-744.87 -1573.15,-815.8 -1535.22,-885.11 -1494.24,-952.66 -1450.3,-1018.31 -1403.47,-1081.94 -1353.84,-1143.43 -1301.53,-1202.63 -1246.64,-1259.45 -1189.26,-1313.77

## Other copper
Top Layer:
  pour cut-out: 18.39,1077.56 18.39,1206.73 178.94,1206.73 178.94,1077.24 176.97,1077.24
Bottom Layer:
  pour cut-out: -313.46,-1001.1

## Silkscreen, mask and mechanical layers (free items; w line width, h text height)
Top Overlay:
  lines w2: -267.76,-1662.17 610.67,-1662.17
  text "SCORPION" at -1248.5,-115.5 h393.7
  text "University of Peradeniya" at -931.5,-299 h196.85
Bottom Overlay:
  text "V3.1" at -1033,855 h170 r270
  text "SCORPION" at -894.5,-521 h220 r270
Route Tool Path:
  the board outline again, w10

## Text inside footprints (layer, text, board x,y; h text height)
U3: Mechanical 4 "ANTENNA" at -545.87,-1140.51 h73.82 r90; Mechanical 4 "ANTENNA" at -545.87,-1140.51 h73.82 r90